# Allegro board GPS_INTERFACE_BOARDv34_test.brd (continued)
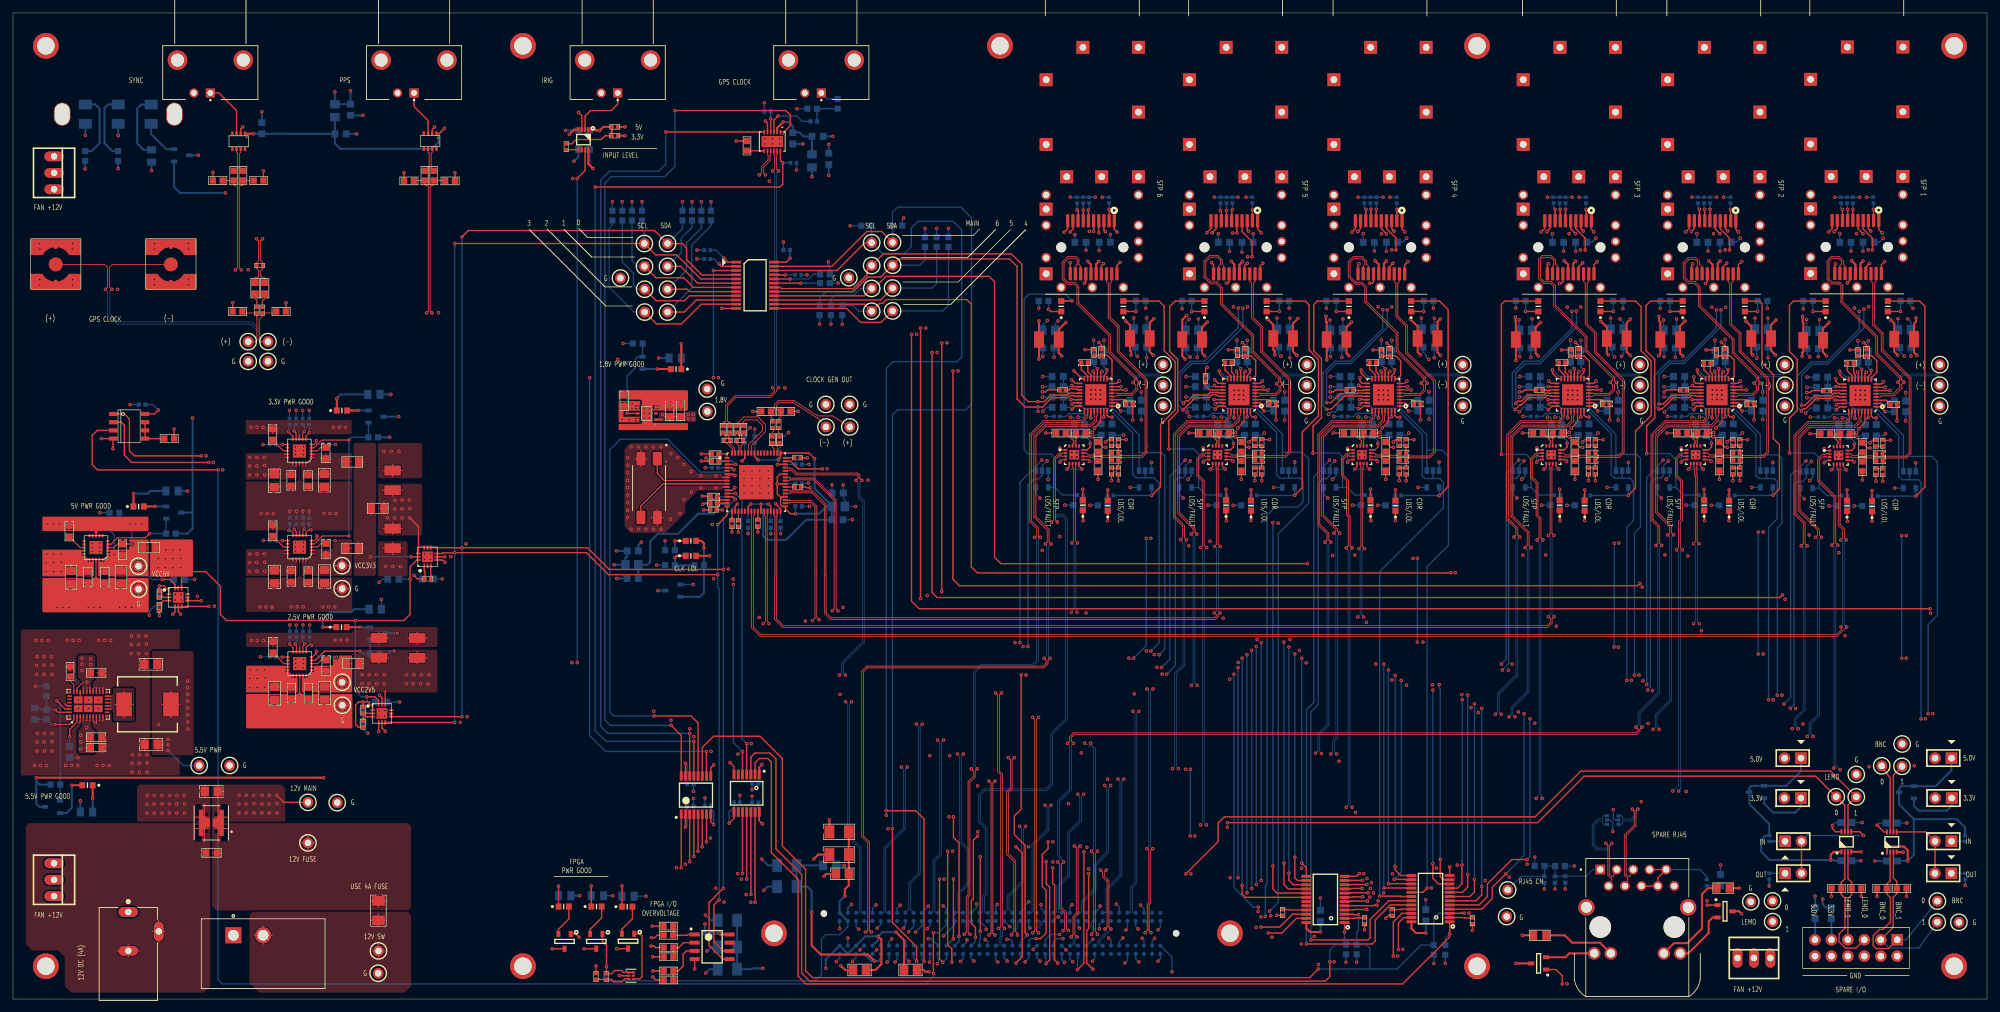
[diagram p0: board, top side]
## Routing (per net, layer and track width the routed paths; a pad name or vN(x,y) marks a point on that pad's centre or on a via; arc(x,y) is an arc through that point) (continued)
FMC.RECOV_CLK_P1: length 180.7
  TOP w0.127: v1(163.74,39.52) 163.42,39.83 163.42,40.43 163.86,40.87 250.66,40.87 251.21,41.42 251.21,41.71 v1(251.52,42.03) ; v1(254.57,70.1) 254.25,70.42 254.25,73.1 253.21,74.14 253.21,87.12 255.18,89.09 261.06,89.09 261.78,89.81 261.78,90.17 261.87,90.26 U27.26 ; v1(162.97,10.62) 162.87,10.62 162.66,10.83 162.66,13.41 161.9,14.17 161.9,20.87 v1(162.21,21.18)
  BOTTOM w0.127: v1(162.21,21.18) 161.9,21.5 161.9,21.87 161.59,22.17 161.59,30.48 163.42,32.31 163.42,39.2 v1(163.74,39.52) ; v1(251.52,42.03) 251.21,42.34 251.21,44.2 254.25,47.24 254.25,69.79 v1(254.57,70.1) ; v1(162.97,10.62) 162.87,10.62 162.66,10.83 162.66,11.6 162.7,11.64 162.7,11.94 162.83,12.06 J8.G12
FMC.RECOV_CLK_P2: length 165.7
  TOP w0.127: v1(158.35,43.54) 158.04,43.22 158.04,10.55 v1(158.35,10.24) ; U31.26 239.57,90.26 239.48,90.17 239.48,89.81 238.76,89.09 232.88,89.09 230.89,87.1 230.89,74.24 232.33,72.8 232.33,71.72 v1(232.65,71.4)
  SIG w0.127: v1(229.79,44.02) 229.37,43.6 229.16,43.6 229.09,43.53 229.07,43.53 228.92,43.38 161.81,43.38 160.84,44.35 158.17,44.35 158.04,44.22 158.04,43.85 v1(158.35,43.54)
  BOTTOM w0.127: v1(232.65,71.4) 232.33,71.09 232.33,49.96 229.48,47.11 229.48,44.33 v1(229.79,44.02) ; 159.38,12.06 159.02,12.06 158.89,11.94 158.89,11.58 158.04,10.73 158.04,10.55 v1(158.35,10.24)
FMC.RECOV_CLK_P3: length 141.8
  TOP w0.127: U35.26 210.36,90.26 210.27,90.17 210.27,89.81 209.55,89.09 203.72,89.09 201.77,87.14 201.77,73.4 203.17,72 203.17,70.92 v1(203.49,70.61) ; v1(155.09,9.91) 155.09,10.14 154.81,10.42 154.81,21.39 153.7,22.5 153.7,31.9 154.28,32.49 154.28,37 v1(154.59,37.31)
  SIG w0.127: v1(202.03,37.95) 201.83,37.95 201.7,37.82 201.7,37.62 201.32,37.24 157.08,37.24 156.37,37.95 154.41,37.95 154.28,37.82 154.28,37.63 v1(154.59,37.31)
  BOTTOM w0.127: v1(155.09,9.91) 155.09,10.14 154.81,10.42 154.81,10.77 155.08,11.04 155.08,11.94 155.21,12.06 J8.G18 ; v1(203.49,70.61) 203.17,70.29 203.17,42.29 201.75,40.87 201.75,38.59 201.74,38.28 v1(202.03,37.95)
FMC.RECOV_CLK_P4: length 120.7
  TOP w0.127: v1(181.19,70.99) 180.87,71.31 180.87,73.19 179.45,74.61 179.45,87.17 181.37,89.09 187.25,89.09 187.97,89.81 187.97,90.17 188.06,90.26 U39.26 ; v1(151.61,33.68) 151.3,33.37 151.3,10.2 v1(151.61,9.88)
  SIG w0.127: v1(151.61,33.68) 151.36,33.93 151.36,34.26 151.64,34.54 179.17,34.54 179.63,35 179.63,35.3 v1(179.94,35.61)
  BOTTOM w0.127: v1(151.61,9.88) 151.3,10.2 151.3,11.73 151.27,11.76 151.27,11.94 151.4,12.06 151.76,12.06 ; v1(181.19,70.99) 180.92,70.73 180.92,51.54 179.63,50.24 179.63,35.93 v1(179.94,35.61)
FMC.RECOV_CLK_P5: length 101
  TOP w0.127: v1(147.79,10.01) 147.47,10.32 147.47,15.72 147.75,16 147.75,33.5 148.56,34.32 148.56,35.27 v1(148.88,35.59) ; U43.26 165.93,90.26 165.84,90.17 165.84,89.81 165.13,89.09 159.25,89.09 158.29,88.13 158.23,88.13 157.28,87.18 157.28,73.89 158.34,72.82 158.34,71.38 158.36,71.36 v1(158.63,71.36)
  BOTTOM w0.127: v1(158.63,71.36) 158.32,71.04 158.32,52.22 157.53,51.44 149.53,51.44 148.56,50.47 148.56,35.9 v1(148.88,35.59) ; v1(147.79,10.01) 147.47,10.32 147.47,11.75 147.46,11.76 147.46,11.94 147.59,12.06 J8.G24
FMC.RECOV_DATA_N0: length 219.8
  TOP w0.127: U23.28 284.94,90.28 285.03,90.19 285.03,89.36 284.31,88.65 277.38,88.65 275.64,86.91 275.64,75.47 278.64,72.48 278.64,71.68 v1(278.32,71.36)
  SIG w0.127: v1(145.84,37.87) 146.15,38.19 146.15,38.38 146.66,38.89 276.34,38.89 277.34,39.89 277.34,40.27 v1(277.03,40.59)
  BOTTOM w0.127: J8.H26 145.78,13.34 145.91,13.46 145.91,16.44 147.32,17.85 147.32,23.07 146.15,24.24 146.15,37.56 v1(145.84,37.87) ; v1(278.32,71.36) 278.64,71.05 278.64,43.93 277.34,42.64 277.34,40.9 v1(277.03,40.59)
FMC.RECOV_DATA_N1: length 199.5
  TOP w0.127: v1(255.49,71.73) 255.8,72.05 255.8,73.01 253.59,75.22 253.59,86.98 255.32,88.71 258.9,88.71 258.94,88.75 262.24,88.75 262.95,89.47 262.95,90.3 262.87,90.38 U27.28
  SIG w0.127: v1(142.77,40.01) 143.08,40.32 143.08,40.77 143.81,41.5 168.96,41.5 169.37,41.1 253.4,41.1 253.53,41.22 253.53,41.4 v1(253.25,41.68)
  BOTTOM w0.127: v1(255.49,71.73) 255.8,71.42 255.8,46.22 253.57,43.98 253.57,42 v1(253.25,41.68) ; 141.6,13.34 141.94,13.34 142.06,13.46 142.06,21.43 143.08,22.45 143.08,39.69 v1(142.77,40.01)
FMC.RECOV_DATA_N2: length 182
  TOP w0.127: v1(233.49,69.77) 233.81,70.09 233.81,72.07 231.29,74.59 231.29,86.98 233.02,88.71 239.95,88.71 240.32,89.08 240.32,89.13 240.65,89.47 240.65,90.3 240.57,90.38 U31.28
  SIG w0.127: v1(230.99,43.61) 231.3,43.31 231.3,42.69 231.05,42.44 153.99,42.44 152.82,43.61 141.3,43.61 141,43.31 140.82,43.31 140.8,43.34 140.09,43.34 139.8,43.05 139.8,42.81 v1(139.49,42.49)
  BOTTOM w0.127: J8.H32 138.33,13.87 138.33,18 139.8,19.47 139.8,42.18 v1(139.49,42.49) ; v1(233.49,69.77) 233.81,69.46 233.81,47.59 231.31,45.09 231.31,43.93 v1(230.99,43.61)
FMC.RECOV_DATA_N3: length 154.9
  TOP w0.127: U35.28 211.36,90.38 211.44,90.3 211.44,89.47 211.11,89.13 211.11,89.08 210.74,88.71 203.81,88.71 202.06,86.96 202.06,74.71 204.24,72.53 204.24,72.28 v1(203.94,71.98)
  SIG w0.127: v1(137.18,35.86) 137.49,36.18 137.49,36.44 137.78,36.73 175.95,36.73 176.07,36.86 203.29,36.86 203.79,37.36 203.79,37.54 v1(203.46,37.87)
  BOTTOM w0.127: J8.H35 134.35,13.34 134.48,13.46 134.48,23.42 137.49,26.43 137.49,35.55 v1(137.18,35.86) ; v1(203.94,71.98) 204.26,71.67 204.26,40.47 203.76,39.97 203.76,38.17 v1(203.46,37.87)
FMC.RECOV_DATA_N4: length 141.3
  TOP w0.127: U39.28 189.06,90.38 189.14,90.3 189.14,89.57 188.28,88.71 181.51,88.71 179.83,87.03 179.83,75.07 182.22,72.68 182.22,72.15 v1(181.93,71.86)
  SIG w0.127: v1(181.95,48.49) 182.25,48.19 182.25,47.64 181.16,46.56 130.05,46.56 129.81,46.8 129.17,46.8 128.88,46.51 128.88,46.26 v1(128.56,45.95)
  BOTTOM w0.127: v1(128.56,45.95) 128.88,45.63 128.88,25.08 130.67,23.29 130.67,13.46 130.54,13.34 J8.H38 ; v1(181.93,71.86) 182.22,71.57 182.22,48.76 v1(181.95,48.49)
FMC.RECOV_DATA_N5: length 120.7
  TOP w0.127: v1(159.39,70.33) 159.69,70.63 159.69,72.45 157.66,74.48 157.66,74.5 157.63,74.52 157.63,87.01 159.37,88.75 166.3,88.75 167.02,89.47 167.02,90.3 166.93,90.38 U43.28 ; v1(159.21,52.65) 159.53,52.34 159.53,51.92 159.07,51.46 131.82,51.46 131.04,50.68 131.04,25.11 131.98,24.17 131.98,10.53 131.82,10.36 v1(131.63,10.36)
  BOTTOM w0.127: J8.G37 131.81,12.06 131.94,11.94 131.94,11.64 131.98,11.6 131.98,10.53 131.82,10.36 v1(131.63,10.36) ; v1(159.39,70.33) 159.61,70.11 159.61,53.06 v1(159.21,52.65)
FMC.RECOV_DATA_P0: length 219.9
  TOP w0.127: v1(279.23,71.36) 278.92,71.68 278.92,72.59 275.92,75.59 275.92,86.79 277.49,88.37 284.42,88.37 284.86,88.81 284.92,88.81 285.34,89.23 285.34,90.06 285.44,90.16 U23.29
  SIG w0.127: v1(146.75,37.87) 146.43,38.19 146.43,38.26 146.78,38.61 276.45,38.61 277.62,39.78 277.62,40.27 v1(277.94,40.59)
  BOTTOM w0.127: v1(279.23,71.36) 278.92,71.05 278.92,43.81 277.62,42.52 277.62,40.9 v1(277.94,40.59) ; v1(146.75,37.87) 146.43,37.56 146.43,24.36 147.6,23.19 147.6,17.73 146.19,16.32 146.19,13.46 146.32,13.34 J8.H25
FMC.RECOV_DATA_P1: length 199.6
  TOP w0.127: v1(256.4,71.73) 256.08,72.05 256.08,73.13 253.87,75.34 253.87,86.87 255.44,88.43 262.37,88.43 263.27,89.33 263.27,90.16 263.37,90.26 U27.29
  SIG w0.127: v1(143.68,40.01) 143.36,40.32 143.36,40.66 143.93,41.22 168.84,41.22 169.25,40.82 253.52,40.82 253.81,41.11 253.81,41.33 v1(254.16,41.68)
  BOTTOM w0.127: v1(256.4,71.73) 256.08,71.42 256.08,46.1 253.85,43.87 253.85,42 v1(254.16,41.68) ; v1(143.68,40.01) 143.36,39.69 143.36,22.33 142.34,21.31 142.34,13.5 142.51,13.34 J8.H28
FMC.RECOV_DATA_P2: length 182
  TOP w0.127: U31.29 241.07,90.26 240.97,90.16 240.97,89.33 240.07,88.43 233.13,88.43 231.57,86.87 231.57,74.7 234.09,72.19 234.09,70.09 v1(234.4,69.77)
  SIG w0.127: v1(231.9,43.61) 231.58,43.29 231.58,42.58 231.17,42.16 153.87,42.16 152.7,43.33 141.42,43.33 141.12,43.04 140.71,43.04 140.68,43.06 140.21,43.06 140.08,42.94 140.08,42.81 v1(140.4,42.49)
  BOTTOM w0.127: v1(234.4,69.77) 234.09,69.46 234.09,47.47 231.59,44.97 231.59,43.93 v1(231.9,43.61) ; J8.H31 138.61,13.79 138.61,17.88 140.08,19.35 140.08,42.18 v1(140.4,42.49)
FMC.RECOV_DATA_P3: length 154.9
  TOP w0.127: U35.29 211.86,90.26 211.76,90.16 211.76,89.33 210.86,88.43 203.92,88.43 202.34,86.84 202.34,74.83 204.52,72.64 204.52,72.31 v1(204.85,71.98)
  SIG w0.127: v1(138.08,35.86) 137.77,36.18 137.77,36.32 137.9,36.45 176.06,36.45 176.19,36.58 203.4,36.58 204.07,37.24 204.07,37.54 204.09,37.56 204.09,37.59 v1(204.37,37.87)
  BOTTOM w0.127: v1(204.85,71.98) 204.54,71.67 204.54,40.35 204.04,39.85 204.04,38.2 v1(204.37,37.87) ; J8.H34 134.89,13.34 134.76,13.46 134.76,23.3 137.77,26.31 137.77,35.55 v1(138.08,35.86)
FMC.RECOV_DATA_P4: length 141.3
  TOP w0.127: U39.29 189.56,90.26 189.42,90.13 189.42,89.45 188.4,88.43 181.62,88.43 180.11,86.92 180.11,75.18 182.5,72.8 182.5,72.15 v1(182.79,71.86)
  SIG w0.127: v1(129.47,45.95) 129.16,46.26 129.16,46.39 129.29,46.52 129.69,46.52 129.93,46.28 181.28,46.28 182.52,47.52 182.52,48.16 v1(182.85,48.49)
  BOTTOM w0.127: v1(182.79,71.86) 182.5,71.57 182.5,48.84 v1(182.85,48.49) ; v1(129.47,45.95) 129.16,45.63 129.16,25.2 130.95,23.41 130.95,13.46 131.08,13.34 J8.H37
FMC.RECOV_DATA_P5: length 120.6
  TOP w0.127: v1(132.54,10.36) 132.42,10.36 132.26,10.53 132.26,24.28 131.32,25.22 131.32,50.56 131.94,51.18 159.18,51.18 159.81,51.81 159.81,52.34 v1(160.12,52.65) ; v1(160.3,70.33) 159.97,70.66 159.97,72.57 157.94,74.6 157.94,86.92 159.48,88.47 166.42,88.47 166.86,88.91 166.91,88.91 167.34,89.33 167.34,90.16 167.43,90.26 U43.29
  BOTTOM w0.127: v1(160.3,70.33) 159.89,69.93 159.89,52.88 v1(160.12,52.65) ; J8.G36 132.35,12.06 132.22,11.94 132.22,11.76 132.26,11.72 132.26,10.53 132.42,10.36 v1(132.54,10.36)
FMC.SCL0: length 472
  TOP w0.203: U19.5 106.19,111.29 102.46,115.01 99.24,115.01 TP45.1 v1(68.22,116.76) ; v1(109.04,15.34) 108.23,14.53 108.23,8.86 109.65,7.44 U49.6 ; v1(192.68,11.13) 195.58,11.13 197.57,13.12 U52.22 ; U53.22 214.46,13.24 213.13,11.91 v1(213.13,6.63) ; U10.6 66.26,68.85 66.37,68.96 67.94,68.96 67.97,68.99 v1(68.2,68.99) 88.54,68.99 91.95,65.58 v1(108.81,65.58) ; v1(30.25,82.93) 18.34,82.93 17.2,84.07 17.2,88.7 16.74,89.15 U46.2 ; U13.6 v1(68.2,42.75) ; U8.6 v1(30.25,60.68) ; v1(108.81,73.33) 110.26,74.77 U48.16
  SIG w0.203: v1(68.2,68.99) 68.2,60.48 67.39,59.66 31.26,59.66 v1(30.25,60.68) v1(30.25,82.93) ; v1(109.04,15.34) 111.07,17.37 186.44,17.37 v1(192.68,11.13) 192.68,7.67 193.73,6.63 v1(213.13,6.63)
  BOTTOM w0.203: v1(108.81,73.33) v1(108.81,65.58) 108.81,63.6 109.04,63.37 v1(109.04,15.34) ; v1(68.2,42.75) v1(68.2,68.99) 68.2,116.24 68.22,116.27 v1(68.22,116.76) ; R90.2 97.13,118.8 97.49,118.44 TP45.1
FMC.SCL1: length 364
  TOP w0.203: v1(285.64,118.29) 284.88,119.04 J13.5 ; v1(276.17,91.74) 276.67,91.74 278.17,93.24 280.77,93.24 281.06,93.53 281.06,93.53 281.15,93.62 282.03,93.62 282.11,93.54 U23.20 ; v1(296.01,60.33) 139.9,60.33 138.73,61.49 v1(138.73,102.72) ; TP43.1 99.26,111.48 103.56,111.48 105.05,109.99 U19.7
  SIG w0.203: TP43.1 99.24,111.51 102.9,111.51 107.11,107.29 107.11,104.5 108.89,102.72 v1(138.73,102.72) ; v1(296.01,60.33) 296.01,60.82 296.01,60.83 296.01,93.12 288.52,100.61 288.52,103.89 v1(285.78,106.63) 285.78,108.66 287.69,110.57 287.69,116.24 v1(285.64,118.29)
  BOTTOM w0.203: v1(276.17,91.74) 276.17,96.42 277.87,98.11 280.19,98.11 285.44,103.36 285.44,103.37 285.78,103.71 v1(285.78,106.63) ; R88.2 95.58,114.07 96.42,113.23 TP43.1
FMC.SCL2: length 337.4
  TOP w0.203: U19.9 104.45,108.69 103.68,107.92 99.31,107.92 TP41.1 ; U27.20 259,93.65 258.89,93.54 258.89,93.54 258.7,93.34 256.18,93.34 254.81,91.97 v1(254.15,91.97) ; v1(141.91,99.92) 141.91,62.84 142.7,62.05 272.8,62.05 v1(273.2,62.46) ; v1(263.56,118.29) 262.81,119.04 J14.5
  SIG w0.203: v1(263.56,118.29) 265.79,116.07 265.79,110.74 263.7,108.66 v1(263.7,106.5) 266.17,104.04 266.17,101.07 271.48,95.76 271.48,87.96 273.55,85.88 273.55,62.81 v1(273.2,62.46) ; TP41.1 99.31,107.92 102.62,107.92 104.67,105.87 104.67,103.99 108.74,99.92 v1(141.91,99.92)
  BOTTOM w0.203: v1(254.15,91.97) 254.15,96.57 255.8,98.22 258.01,98.22 263.7,103.91 v1(263.7,106.5) ; R86.2 94.08,113.89 95.81,112.17 95.81,110.38 96.48,109.7 TP41.1
FMC.SCL3: length 312.8
  TOP w0.203: U31.20 236.7,93.65 236.59,93.54 236.59,93.54 236.39,93.34 233.88,93.34 232.94,92.4 232.38,92.4 v1(232.03,92.05) ; U19.11 106.27,107.39 103.23,104.34 99.36,104.34 TP39.1 ; v1(241.26,118.29) 240.51,119.04 J18.5 ; v1(145.14,97.05) 145.14,64.87 146.12,63.89 250.83,63.89 v1(251.18,64.24)
  SIG w0.203: v1(251.18,64.24) 251.53,64.59 251.53,85.91 249.15,88.29 249.15,95.89 243.81,101.22 243.81,103.91 v1(241.4,106.32) 241.4,108.66 243.31,110.57 243.31,116.24 v1(241.26,118.29) ; TP39.1 99.97,103.73 102.08,103.73 108.76,97.05 v1(145.14,97.05)
  BOTTOM w0.17: TP39.1 95.89,106.17 92.05,110.01 92.05,119.14 92.56,119.64 R84.2
  BOTTOM w0.203: v1(241.4,106.32) 241.4,103.81 235.76,98.17 233.45,98.17 232.03,96.75 v1(232.03,92.05)
FMC.SCL4: length 238.9
  TOP w0.203: v1(212.05,118.29) 211.27,119.07 J19.5 ; v1(202.82,92.18) 203.5,92.18 204.9,93.57 207.54,93.57 207.62,93.65 U35.20 ; U19.14 131.5,107.39 TP33.1 133.81,107.52 134.32,107.52 134.9,108.1 147.27,108.1 147.98,107.39 147.98,66.78 148.89,65.86 221.26,65.86 221.28,65.89 v1(222.02,65.89)
  SIG w0.203: v1(212.05,118.29) 214.16,116.19 214.16,110.62 212.19,108.66 v1(212.19,106.53) 214.73,103.99 214.73,101.37 222.02,94.09 v1(222.02,65.89)
  BOTTOM w0.203: TP33.1 130.58,106.3 129.68,107.2 R96.1 ; v1(202.82,92.18) 202.82,96.75 204.28,98.21 206.6,98.21 212.19,103.81 v1(212.19,106.53)
FMC.SCL5: length 221.5
  TOP w0.203: J20.5 188.97,119.05 188.98,119.05 v1(188.98,118.41) ; v1(180.72,92.08) 181.07,92.43 181.45,92.43 182.37,93.34 184.48,93.34 184.89,93.76 185.98,93.76 185.98,93.75 186.12,93.75 186.23,93.65 U39.20 ; U19.16 131.45,108.69 TP31.1 133.33,110.57 133.71,110.57 134.82,111.68 150.72,111.68 151.56,110.85 151.56,68.28 152.55,67.28 v1(199.87,67.28)
  SIG w0.203: v1(188.98,118.41) 192.31,115.08 192.31,111.12 189.89,108.7 v1(189.89,106.76) 192.84,103.81 192.84,100.53 197.74,95.63 197.74,88.32 199.87,86.18 v1(199.87,67.28)
  BOTTOM w0.203: v1(180.72,92.08) 180.26,92.53 180.26,96.49 181.98,98.21 184.29,98.21 189.89,103.81 v1(189.89,106.76) ; R98.1 126.29,108.13 126.95,108.79 129.84,108.79 130.89,109.83 TP31.1
FMC.SCL6: length 116.4
  TOP w0.203: U43.20 163.06,93.65 162.96,93.54 162.95,93.54 162.76,93.34 160.25,93.34 159.23,92.33 v1(158.24,92.33) 156.74,92.33 155.78,93.29 155.78,113.54 154.15,115.16 134.39,115.16 TP34.1 131.84,112.61 131.84,111.93 129.72,109.8 118.67,109.8 118.49,109.99 U19.18 ; J21.5 166.85,119.05 166.85,119.05 v1(166.85,118.64)
  SIG w0.203: v1(158.24,92.33) 158.99,92.33 160.05,93.39 160.05,96.72 165.13,101.8 165.13,103.35 167.77,105.99 167.77,111.25 166.85,112.17 v1(166.85,118.64)
  BOTTOM w0.203: R100.1 124.54,108.33 125.5,109.3 129.57,109.3 131.84,111.57 131.84,112.61 TP34.1
FMC.SCL_FPGA: length 168.5
  TOP w0.203: v1(140.67,5.79) 140.67,27.84 139.4,29.11 v1(134.83,29.11) ; U19.22 127.23,112.59 131.53,116.89 TP25.1
  BOTTOM w0.203: v1(134.83,29.11) 134.83,29.6 134.85,29.62 134.85,97.46 135.89,98.5 145.77,98.5 146.48,99.21 146.48,118.85 145.14,120.19 139.73,120.19 138.71,119.18 138.71,116.31 137.62,115.21 134.26,115.21 TP25.1 132.59,118.72 132.5,118.8 R91.2 ; J8.C30 140.34,6.12 v1(140.67,5.79)
FMC.SDA0: length 479
  TOP w0.203: v1(29.08,83.95) 18.77,83.95 17.98,84.73 17.98,89.64 17.2,90.42 U46.1 ; U10.8 U10.7 68.42,69.75 68.43,69.75 v1(69.32,69.75) 88.72,69.75 92.08,66.4 v1(109.7,66.4) ; U52.23 198.17,12.47 195.91,10.21 v1(193.83,10.21) ; U8.8 U8.7 28.58,61.58 28.59,61.57 v1(29.08,61.57) ; v1(69.32,117.78) 70.31,118.77 99.06,118.77 TP44.1 103.35,116.76 104.01,116.1 104.01,114.26 106.36,111.91 110.64,111.91 110.67,111.94 U19.4 ; v1(213.92,7.65) 213.92,11.76 214.75,12.59 U53.23 ; v1(109.68,17.12) 107.47,14.91 107.47,8.33 109.63,6.17 U49.5 ; v1(111.86,76.5) 111.51,76.15 U48.18 ; U13.8 U13.7 68.7,43.65 68.71,43.64 v1(69.32,43.64)
  SIG w0.203: v1(69.32,69.75) 69.32,60.53 67.78,58.99 30.52,58.99 29.08,60.43 v1(29.08,61.57) v1(29.08,83.95) ; v1(109.68,17.12) 110.46,17.91 186.79,17.91 193.83,10.87 v1(193.83,10.21) 193.83,8.08 194.26,7.65 v1(213.92,7.65)
  BOTTOM w0.203: v1(69.32,117.78) v1(69.32,69.75) v1(69.32,43.64) ; v1(109.68,17.12) 109.68,65.85 109.7,65.87 v1(109.7,66.4) 109.7,74.35 v1(111.86,76.5) ; TP44.1 103.38,119.08 R89.2
FMC.SDA1: length 356.1
  TOP w0.203: v1(276.12,90.88) 276.47,91.23 276.8,91.23 278.41,92.84 280.87,92.84 280.92,92.88 280.92,92.88 281.21,93.17 281.84,93.17 281.96,93.04 U23.21 ; J13.4 285.68,118.99 287.12,117.55 v1(287.12,115.77) ; v1(140.13,103.71) v1(140.13,61.93) ; U19.6 105.69,110.64 103.1,113.23 TP42.1
  SIG w0.203: v1(287.12,115.77) 287.12,115.28 287.32,115.07 287.32,110.77 285.07,108.52 285.07,107.77 285.06,107.76 v1(285.06,106.28) 285.06,105.78 287.76,103.09 287.76,100.56 295.38,92.94 295.38,61.87 294.56,61.06 141,61.06 v1(140.13,61.93) ; v1(140.13,103.71) 109.27,103.71 108.36,104.62 108.36,108.03 103.15,113.23 TP42.1
  BOTTOM w0.203: v1(276.12,90.88) 275.44,91.57 275.44,96.22 277.7,98.48 280.04,98.48 285.06,103.5 v1(285.06,106.28) ; TP42.1 103.2,115.37 103.2,117.63 104.85,119.28 R87.2
FMC.SDA2: length 329.4
  TOP w0.203: J14.4 263.61,119.04 265.05,117.6 v1(265.05,115.77) ; TP40.1 104.11,109.7 104.48,109.34 U19.8 ; U27.21 259.89,93.15 259.77,93.27 259.14,93.27 259.04,93.17 259.04,93.17 258.85,92.98 258.84,92.98 258.8,92.94 256.35,92.94 254.6,91.19 v1(254.1,91.19) ; v1(143.41,62.97) v1(143.41,101.37)
  SIG w0.203: v1(143.41,101.37) 108.94,101.37 105.84,104.47 105.84,106.5 102.64,109.7 TP40.1 ; v1(143.41,62.97) 272.19,62.97 272.78,63.56 272.78,85.99 271.07,87.71 271.07,95.48 265.63,100.91 265.63,103.35 263,105.99 v1(263,106.5) 263,108.47 265.4,110.87 265.4,115.42 v1(265.05,115.77)
  BOTTOM w0.203: v1(254.1,91.19) 253.39,91.9 253.39,96.32 255.65,98.59 257.86,98.59 263,103.72 v1(263,106.5) ; TP40.1 103.99,112.62 103.99,116.84 106.3,119.15 R85.2
FMC.SDA3: length 301.8
  TOP w0.203: v1(242.75,115.77) 242.75,117.6 241.31,119.04 J18.4 ; U31.21 237.59,93.15 237.46,93.27 236.84,93.27 236.74,93.17 236.74,93.17 236.55,92.98 236.54,92.98 236.5,92.94 234.04,92.94 232.91,91.81 232.87,91.81 232.84,91.79 232.61,91.79 v1(231.93,91.11) ; U19.10 105.5,108.04 103.63,106.17 TP38.1
  SIG w0.203: v1(242.75,115.77) 242.75,115.28 242.95,115.07 242.95,110.72 240.7,108.47 v1(240.7,106.27) 240.7,105.78 243.28,103.2 243.28,101.02 248.77,95.53 248.77,88.01 250.66,86.12 250.66,65.75 249.94,65.02 147.52,65.02 146.46,66.09 146.46,97.46 145.31,98.6 108.64,98.6 TP38.1
  BOTTOM w0.203: TP38.1 104.8,109.91 104.8,116.51 107.77,119.48 R83.2 ; v1(240.7,106.27) 240.7,103.62 235.66,98.58 233.32,98.58 231.5,96.75 231.5,91.54 v1(231.93,91.11)
FMC.SDA4: length 249.2
  TOP w0.203: TP32.1 134.04,104.57 130.89,104.57 128.72,106.74 U19.13 ; J19.4 212.07,119.07 213.54,117.6 v1(213.54,115.77) ; v1(202.82,91.14) 203.54,91.14 205.6,93.21 208.39,93.21 208.45,93.15 U35.21
  SIG w0.203: v1(213.54,115.77) 213.54,115.28 213.79,115.02 213.79,110.77 211.49,108.47 v1(211.49,106.55) 211.49,106.06 214.33,103.22 214.33,100.86 221.32,93.87 221.32,67.35 220.6,66.62 150.57,66.62 149.53,67.67 149.53,105.71 148.89,106.35 TP32.1
  BOTTOM w0.203: TP32.1 143.56,106.35 144.45,107.24 R97.1 ; v1(202.82,91.14) 202.27,91.69 202.27,96.73 204.11,98.58 206.45,98.58 211.49,103.62 v1(211.49,106.55)
FMC.SDA5: length 221.5
  TOP w0.203: U39.21 186.08,93.15 185.83,93.4 185.14,93.4 184.68,92.94 182.54,92.94 v1(180.65,91.05) ; U19.15 133.97,108.04 TP30.1 ; v1(191.31,114.73) 191.31,117.07 189.77,118.61 J20.4
  SIG w0.203: TP30.1 152.65,109.88 153.49,109.04 153.49,69.16 154.38,68.28 198.55,68.28 199.14,68.86 199.14,85.8 197.31,87.63 197.31,95.48 191.97,100.81 191.97,103.35 189.19,106.14 v1(189.19,106.78) 189.19,108.82 191.31,110.95 v1(191.31,114.73)
  BOTTOM w0.203: v1(180.65,91.05) 179.83,91.87 179.83,96.6 181.81,98.58 183.97,98.58 189.19,103.79 v1(189.19,106.78) ; TP30.1 141.91,109.88 142.62,110.59 R99.1
FMC.SDA6: length 113.4
  TOP w0.203: U43.21 163.95,93.15 163.83,93.27 163.2,93.27 163.11,93.17 163.1,93.17 162.91,92.98 162.91,92.98 162.86,92.94 160.4,92.94 158.95,91.49 v1(158.24,91.49) 156.29,91.49 155.04,92.74 155.04,113.23 153.9,114.38 136.78,114.38 TP35.1 133.99,111.58 132.03,111.58 129.78,109.34 U19.17 ; v1(167.65,118.43) J21.4
  SIG w0.203: v1(167.65,118.43) 167.65,117.01 169.09,115.57 169.09,106.15 165.89,102.95 165.89,101.57 160.73,96.42 160.73,93.01 159.21,91.49 v1(158.24,91.49)
  BOTTOM w0.203: R101.1 140.82,114.22 140,113.41 TP35.1
FMC.SDA_FPGA: length 168.1
  TOP w0.203: v1(139.52,5.87) 139.52,8.1 135.78,11.84 v1(135.78,26.34) ; U19.23 126.45,113.24 131.83,118.62 134.14,118.62 TP26.1
  BOTTOM w0.17: R92.2 135.8,121.58 136.6,122.38
  BOTTOM w0.203: v1(139.52,5.87) 139.06,6.32 J8.C31 ; 136.6,122.38 146.35,122.38 148.01,120.73 148.01,91.97 147.1,91.07 136.56,91.07 135.78,90.29 v1(135.78,26.34) ; TP26.1 135.81,118 135.8,118.01 R92.2
FMC.SFP_TX_DISABLE0: length 202.7
  TOP w0.203: J13.3 286.48,119.04 v1(286.83,118.69) ; v1(198.98,21.01) 199.69,20.3 U52.13
  SIG w0.203: v1(291.62,52.65) v1(198.98,52.65) ; v1(286.83,118.69) 286.09,119.43 284.23,119.43 282.3,117.5 282.3,107.52 287.1,102.72 287.1,97.99 291.62,93.47 v1(291.62,71.63)
  BOTTOM w0.203: v1(198.98,52.65) v1(198.98,21.01) ; v1(291.62,71.63) v1(291.62,52.65)
FMC.SFP_TX_DISABLE1: length 183.3
  TOP w0.203: J14.3 264.41,119.04 v1(264.76,118.69) ; U52.14 198.34,18.32 197.92,18.75 v1(197.92,21.92)
  SIG w0.203: v1(269.47,53.31) 268.95,53.31 268.92,53.34 v1(197.92,53.34) ; v1(269.47,72.16) 269.47,93.7 265.05,98.12 265.05,102.44 260.25,107.24 260.25,117.27 262.41,119.43 264.02,119.43 v1(264.76,118.69)
  BOTTOM w0.203: v1(197.92,53.34) v1(197.92,21.92) ; v1(269.47,72.16) v1(269.47,53.31)
FMC.SFP_TX_DISABLE2: length 163.2
  TOP w0.203: J18.3 242.11,119.04 v1(242.46,118.69) ; v1(197,19.46) 197,18.36 197.7,17.67 U52.15
  SIG w0.203: v1(242.46,118.69) 241.77,119.38 240.33,119.38 238,117.04 238,107.06 242.75,102.31 242.75,98.25 247.24,93.75 v1(247.24,70.43) ; v1(247.22,54.41) v1(197,54.41)
  BOTTOM w0.203: v1(197,54.41) v1(197,19.46) ; v1(247.22,54.41) 247.22,56.82 247.24,56.85 v1(247.24,70.43)
FMC.SFP_TX_DISABLE3: length 135.5
  TOP w0.203: v1(196.24,21.01) 196.24,17.7 196.93,17.02 U52.16 ; J19.3 212.87,119.07 v1(213.25,118.69)
  SIG w0.203: v1(216.84,68.12) 218.06,69.34 218.06,93.68 213.59,98.15 213.59,102.64 208.61,107.62 208.61,116.69 211.18,119.25 212.69,119.25 v1(213.25,118.69) ; v1(196.24,55.17) 196.74,55.17 196.86,55.04 197.84,55.04 197.97,55.17 v1(216.84,55.17)
  BOTTOM w0.203: v1(216.84,68.12) v1(216.84,55.17) ; v1(196.24,55.17) v1(196.24,21.01)
FMC.SFP_TX_DISABLE4: length 117
  TOP w0.203: v1(190.78,118.67) 190.57,118.88 J20.3 ; U52.17 198.67,16.37 198.65,16.38 195.15,16.38 194.53,17 v1(194.53,20.57)
  SIG w0.203: v1(190.78,118.67) 190.12,119.33 188.52,119.33 186.61,117.42 186.61,107.11 191.21,102.51 191.21,98.15 195.63,93.73 195.63,74.73 v1(194.53,73.63)
  BOTTOM w0.203: v1(194.53,73.63) v1(194.53,20.57)
FMC.SFP_TX_DISABLE5: length 134.4
  TOP w0.203: v1(189.79,17.55) 189.79,16.23 190.3,15.72 U52.18 ; J21.3 168.45,118.82 v1(168.68,118.59)
  SIG w0.203: v1(174.98,71.2) 174.98,97.97 174.27,98.68 174.27,111.43 168.68,117.02 v1(168.68,118.59) ; v1(173.02,52.68) v1(189.79,52.68)
  BOTTOM w0.203: v1(174.98,71.2) 174.98,54.64 v1(173.02,52.68) ; v1(189.79,52.68) v1(189.79,17.55)
FMC.SPARE_BNC_0: length 173.6
  TOP w0.203: v1(149.35,22) v1(149.35,10.49) ; TP82.1 289.84,34.13 U51.7
  SIG w0.203: TP82.1 288.54,28.91 287.65,28.02 240.69,28.02 237.21,24.54 187.1,24.54 184.56,22 v1(149.35,22)
  BOTTOM w0.203: v1(149.35,10.49) 149.35,9.25 149.22,9.12 J8.D23
FMC.SPARE_BNC_1: length 183.3
  TOP w0.203: v1(148.95,25.2) 148.29,24.54 148.29,15.52 147.98,15.21 147.98,11.68 148.62,11.05 v1(148.62,9.55) ; TP83.1 290.34,34.64 U51.6
  SIG w0.203: v1(148.95,25.2) v1(181.79,25.2) ; v1(181.79,35.51) 277.98,35.51 280.24,37.77 289.86,37.77 TP83.1
  BOTTOM w0.203: J8.D24 148.62,8.92 v1(148.62,9.55) ; v1(181.79,35.51) v1(181.79,25.2)
FMC.SPARE_LEMO_0: length 167.5
  TOP w0.203: U50.7 282.83,29.94 TP84.1 278.33,34.44 242.6,34.44 235.41,27.25 v1(187.5,27.25) ; v1(145.21,28.2) 145.21,24.99 146.08,24.13 v1(146.08,9.7)
  SIG w0.203: v1(187.5,27.25) 186.56,28.2 v1(145.21,28.2)
  BOTTOM w0.203: J8.D26 146.08,8.92 v1(146.08,9.7)
FMC.SPARE_LEMO_1: length 166.3
  TOP w0.203: U50.6 283.33,29.97 TP85.1 280.62,35.23 242.09,35.23 235.03,28.17 187.05,28.17 186.08,27.2 186.08,24.33 v1(181.1,19.35) ; v1(145.21,18.57) 145.21,9.82 145.2,9.8 v1(145.2,9.31)
  SIG w0.203: v1(181.1,19.35) 169.72,19.35 168.94,18.57 v1(145.21,18.57)
  BOTTOM w0.203: v1(145.2,9.31) J8.D27
FMC.SPARE_RJ45_0_N: length 112.5
  TOP w0.127: v1(168.61,10.82) 168.94,11.15 168.94,18.17 168.22,18.88 168.22,19.62 v1(167.91,19.94) ; J17.P3 247.11,18.98 246.94,18.93 246.82,18.99 246.53,19.27 246.53,23.74 v1(246.85,24.05)
  SIG w0.127: v1(246.85,24.05) 246.53,24.37 246.53,24.79 245.95,25.37 240.43,25.37 238.27,23.22 187.87,23.22 185.79,21.13 168.51,21.13 168.22,20.84 168.22,20.25 v1(167.91,19.94)